# Altium PCB Zenit Stand Part 2 PCB_v2.PcbDoc
Units mm, origin at the board's own origin, x right, y up, seen from the top; angles counter-clockwise.
Board outline 177.83 x 34.39 mm, 2 copper layers (Top Layer, Bottom Layer); 99 components, 194 nets, 571 pads, 26 vias.
Unrouted connection lines stored in the file: 352.
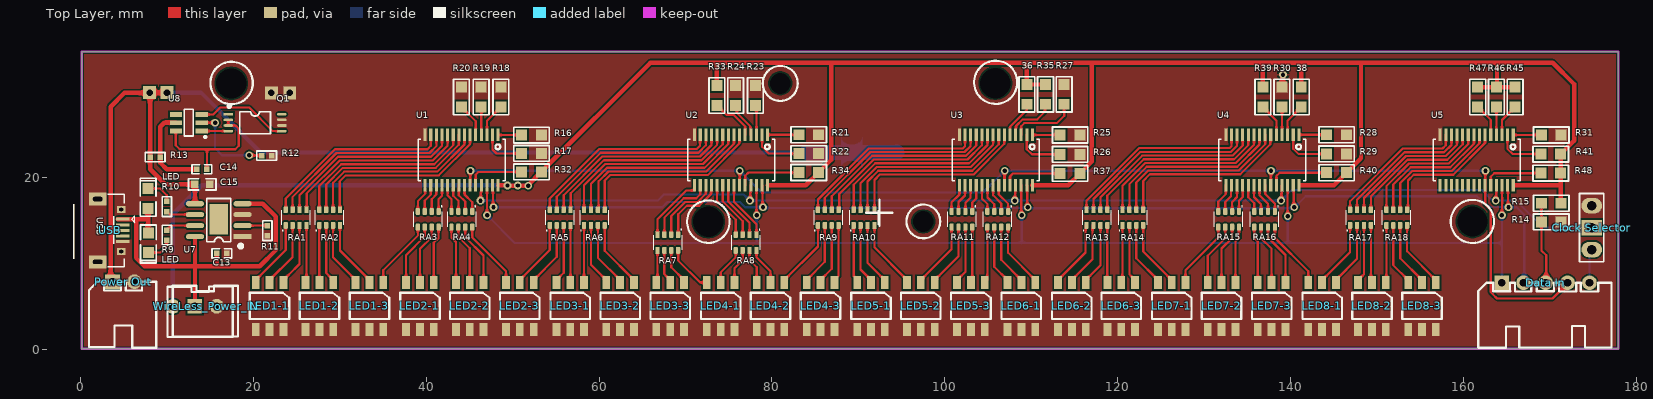
[diagram p0: Top Layer view]
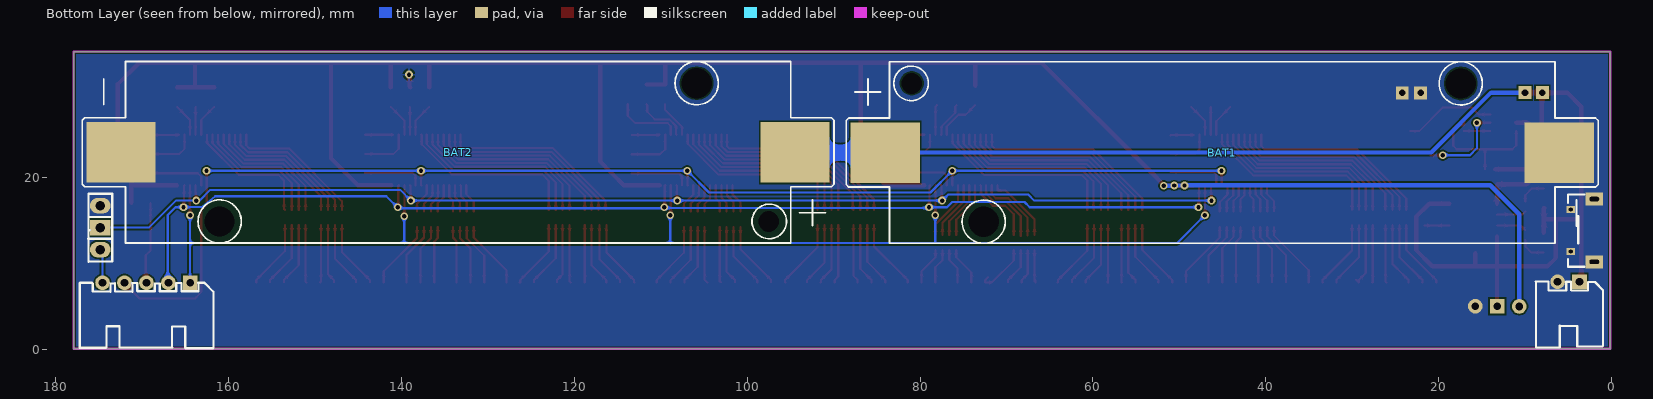
[diagram p1: Bottom Layer view, seen from below]
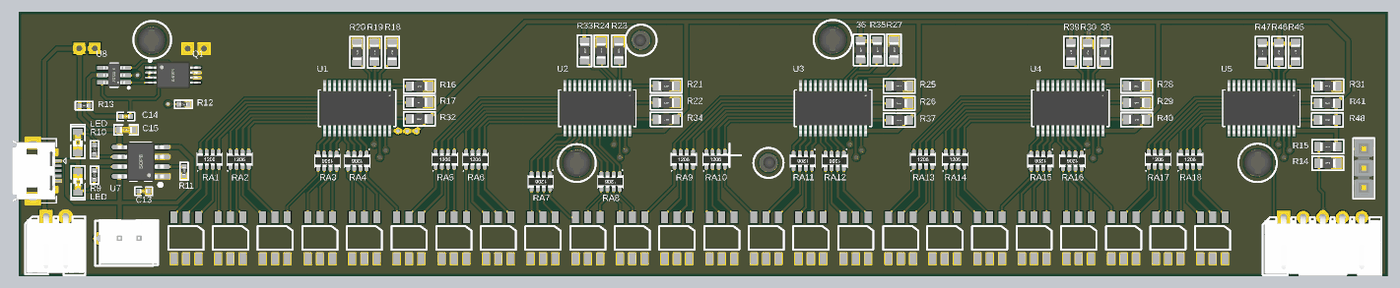
[diagram p2: 3D render of the assembled board from above, using the file's embedded part models]

## Layer stack, top to bottom
Top Solder: solder mask 0.0102, Solder Resist, Dk 3.5
Top Layer: signal copper 0.0356
Dielectric 1: dielectric 0.32, FR-4, Dk 4.8
Bottom Layer: signal copper 0.0356
Bottom Solder: solder mask 0.0102, Solder Resist, Dk 3.5

## Board outline
0.127,0.127 0.127,34.519 177.952,34.519 177.952,0.127

## Design rules (kind name [scope] priority, off if disabled: settings)
Clearance [All] p1: gap=0.178 ignorepadtopadclearanceinfootprint=FALSE
PolygonConnect PolygonConnect_2 [All vs IsNamedPolygon('GND_L02_P001')] p1: thpad.connectstyle=Direct thpad.reliefconductorwidth=0.254 thpad.reliefentries=4 thpad.polygonreliefangle="90 Angle" thpad.airgapwidth=0.254 smdpad.connectstyle=Direct smdpad.reliefconductorwidth=0.254 smdpad.reliefentries=4 smdpad.polygonreliefangle="90 Angle" smdpad.airgapwidth=0.254 via.connectstyle=Relief via.reliefconductorwidth=0.254 via.reliefentries=4 via.polygonreliefangle="90 Angle" via.airgapwidth=0.254
PolygonConnect PolygonConnect_1 [All vs IsNamedPolygon('GND_L01_P000')] p2: thpad.connectstyle=Direct thpad.reliefconductorwidth=0.254 thpad.reliefentries=4 thpad.polygonreliefangle="90 Angle" thpad.airgapwidth=0.254 smdpad.connectstyle=Direct smdpad.reliefconductorwidth=0.254 smdpad.reliefentries=4 smdpad.polygonreliefangle="90 Angle" smdpad.airgapwidth=0.254 via.connectstyle=Relief via.reliefconductorwidth=0.254 via.reliefentries=4 via.polygonreliefangle="90 Angle" via.airgapwidth=0.254
PolygonConnect [All] p3: connectstyle=Relief reliefconductorwidth=0.254 reliefentries=4 polygonreliefangle="90 Angle" airgapwidth=0.254
RoutingVias [All] p1: holewidth=0.5 width=0.9 viastyle="Through Hole" minholewidth=0.5 minwidth=0.9 maxholewidth=0.5 maxwidth=0.9
SolderMaskExpansion [All] p1: expansion=0.102 istentingtop=FALSE
Width [All] p1: maxlimit=1.778 minlimit=0.254 preferedwidth=0.508
30 further rules are at their usual default settings.

## Classes and differential pairs
component class Sheet3.~(14): RA1 RA2 RA3 RA4 RA5 RA6 RA7 RA8 RA9 RA10 RA11 RA12 RA13 RA14 RA15 RA16 RA17 RA18
component class Sheet2: BAT1 BAT2 C13 C14 C15 LED LED1-1 LED1-2 LED1-3 LED2-1 LED2-2 LED2-3 LED3-1 LED3-2 LED3-3 LED4-1 LED4-2 LED4-3 LED5-1 LED5-2 LED5-3 LED6-1 LED6-2 LED6-3 LED7-1 LED7-2 LED7-3 LED8-1 LED8-2 LED8-3 Q1 R9 R10 R11 R12 R13 R14 R15 U7 U8 USB
component class Sheet1: 36 38 R16 R17 R18 R19 R20 R21 R22 R23 R24 R25 R26 R27 R28 R29 R30 R31 R32 R33 R34 R35 R37 R39 R40 R41 R45 R46 R47 R48 U1 U2 U3 U4 U5

## Components (designator, comment, footprint, x,y, rotation, side; value= is the part's Value field where it differs from the comment)
36 "=Value" "R 0805" 109.499,29.566 r270 top
38 "=Value" "R 0805" 141.249,29.261 r270 top
BAT1 "Battery 1850" "18650 Single" 45.034,22.835 r180 bottom
BAT2 "Battery 1850" "18650 Single" 133.452,22.86 r0 bottom
C13 "01.uF" "C 0402" 16.353,11.176 r180 top
C14 "0.1uF" "C 0402" 14.042,20.904 r180 top
C15 "10uF" "C 0603" 14.067,19.152 r180 top
"Clock Selector" "Comment" "Jumper Selector" 174.854,11.608 r90 top
"Data In" "Comment" XH2.54-5P_H 164.44,7.772 r0 top
LED "LED-SMD" "LED 0805G" 7.819,17.526 r90 top (schematic designator LED4)
LED "LED-SMD" "LED 0805R" 7.844,12.395 r270 top (schematic designator LED3)
LED1-1 "LED-RGB" "LED 5050" 21.869,5.08 r270 top
LED1-2 "LED-RGB" "LED 5050" 27.635,5.08 r270 top
LED1-3 "LED-RGB" "LED 5050" 33.426,5.08 r270 top
LED2-1 "LED-RGB" "LED 5050" 39.268,5.08 r270 top
LED2-2 "LED-RGB" "LED 5050" 45.034,5.08 r270 top
LED2-3 "LED-RGB" "LED 5050" 50.825,5.08 r270 top
LED3-1 "LED-RGB" "LED 5050" 56.667,5.08 r270 top
LED3-2 "LED-RGB" "LED 5050" 62.433,5.08 r270 top
LED3-3 "LED-RGB" "LED 5050" 68.224,5.08 r270 top
LED4-1 "LED-RGB" "LED 5050" 74.066,5.08 r270 top
LED4-2 "LED-RGB" "LED 5050" 79.832,5.08 r270 top
LED4-3 "LED-RGB" "LED 5050" 85.623,5.08 r270 top
LED5-1 "LED-RGB" "LED 5050" 91.465,5.08 r270 top
LED5-2 "LED-RGB" "LED 5050" 97.231,5.08 r270 top
LED5-3 "LED-RGB" "LED 5050" 103.022,5.08 r270 top
LED6-1 "LED-RGB" "LED 5050" 108.864,5.08 r270 top
LED6-2 "LED-RGB" "LED 5050" 114.706,5.08 r270 top
LED6-3 "LED-RGB" "LED 5050" 120.421,5.08 r270 top
LED7-1 "LED-RGB" "LED 5050" 126.263,5.08 r270 top
LED7-2 "LED-RGB" "LED 5050" 132.029,5.08 r270 top
LED7-3 "LED-RGB" "LED 5050" 137.82,5.08 r270 top
LED8-1 "LED-RGB" "LED 5050" 143.662,5.08 r270 top
LED8-2 "LED-RGB" "LED 5050" 149.428,5.08 r270 top
LED8-3 "LED-RGB" "LED 5050" 155.219,5.08 r270 top
"Power Out" "Comment" XH2.54-2P_H 3.683,7.874 r0 top
Q1 "FS8205A" SSOP8_L 20.189,26.289 r0 top
R9 "1K" "R 0402" 9.546,13.183 r90 top
R10 "1K" "R 0402" 10.41,16.688 r270 top
R11 "1.2K" "R 0402" 21.179,13.691 r90 top
R12 "1K" "R 0402" 21.636,22.047 r180 top
R13 "100" "R 0402" 8.53,22.733 r0 top
R14 "300K" "R 0805" 170.18,14.808 r0 top
R15 "100K" "R 0805" 170.18,16.967 r180 top
R16 "=Value" "R 0805" 52.172,24.841 r180 top
R17 "=Value" "R 0805" 52.172,22.733 r180 top
R18 "=Value" "R 0805" 48.641,29.261 r270 top
R19 "=Value" "R 0805" 46.355,29.261 r270 top
R20 "=Value" "R 0805" 44.069,29.261 r270 top
R21 "=Value" "R 0805" 84.252,24.892 r180 top
R22 "=Value" "R 0805" 84.252,22.708 r180 top
R23 "=Value" "R 0805" 78.08,29.439 r270 top
R24 "=Value" "R 0805" 75.794,29.439 r270 top
R25 "=Value" "R 0805" 114.503,24.867 r180 top
R26 "=Value" "R 0805" 114.503,22.631 r180 top
R27 "=Value" "R 0805" 113.817,29.566 r270 top
R28 "=Value" "R 0805" 145.339,24.892 r180 top
R29 "=Value" "R 0805" 145.339,22.682 r180 top
R30 "=Value" "R 0805" 139.01,29.261 r270 top
R31 "=Value" "R 0805" 170.18,24.867 r180 top
R32 "=Value" "R 0805" 52.172,20.599 r180 top
R33 "=Value" "R 0805" 73.635,29.439 r270 top
R34 "=Value" "R 0805" 84.252,20.523 r180 top
R35 "=Value" "R 0805" 111.658,29.566 r270 top
R37 "=Value" "R 0805" 114.503,20.422 r180 top
R39 "=Value" "R 0805" 136.804,29.261 r270 top
R40 "=Value" "R 0805" 145.339,20.498 r180 top
R41 "=Value" "R 0805" 170.129,22.657 r180 top
R45 "=Value" "R 0805" 165.989,29.261 r270 top
R46 "=Value" "R 0805" 163.83,29.261 r270 top
R47 "=Value" "R 0805" 161.671,29.261 r270 top
R48 "=Value" "R 0805" 170.129,20.447 r180 top
RA1 "1K" "RA1206 (4x0603)" 24.937,15.311 r90 top
RA2 "1K" "RA1206 (4x0603)" 28.823,15.311 r90 top
RA3 "1K" "RA1206 (4x0603)" 40.227,15.113 r270 top
RA4 "1K" "RA1206 (4x0603)" 44.113,15.113 r270 top
RA5 "1K" "RA1206 (4x0603)" 55.499,15.311 r90 top
RA6 "1K" "RA1206 (4x0603)" 59.455,15.311 r90 top
RA7 "1K" "RA1206 (4x0603)" 67.951,12.421 r270 top
RA8 "1K" "RA1206 (4x0603)" 77.013,12.421 r270 top
RA9 "1K" "RA1206 (4x0603)" 86.519,15.311 r90 top
RA10 "1K" "RA1206 (4x0603)" 90.659,15.311 r90 top
RA11 "1K" "RA1206 (4x0603)" 101.987,15.113 r270 top
RA12 "1K" "RA1206 (4x0603)" 106.127,15.113 r270 top
RA13 "1K" "RA1206 (4x0603)" 117.608,15.311 r90 top
RA14 "1K" "RA1206 (4x0603)" 121.761,15.311 r90 top
RA15 "1K" "RA1206 (4x0603)" 132.848,15.113 r270 top
RA16 "1K" "RA1206 (4x0603)" 137.001,15.113 r270 top
RA17 "1K" "RA1206 (4x0603)" 148.107,15.311 r90 top
RA18 "1K" "RA1206 (4x0603)" 152.298,15.311 r90 top
U1 "PCA9685PW" SOT361-1_NXP 44.094,21.971 r270 top
U2 "PCA9685PW" SOT361-1_NXP 75.28,21.971 r270 top
U3 "PCA9685PW" SOT361-1_NXP 105.917,21.971 r270 top
U4 "PCA9685PW" SOT361-1_NXP 136.748,21.971 r270 top
U5 "PCA9685PW" SOT361-1_NXP 161.553,21.971 r270 top
U7 "TP4056" SOP8_M-EP 15.991,15.011 r180 top
U8 "DW01" SOT23-6M 12.518,26.289 r90 top
USB "Wire_POWER_IN" USB-micro_B 1.981,13.818 r270 top
WireLess_Power_IN "Comment" XH2.54-2P 13.208,5.055 r0 top

## Footprints (in the part's own frame and the unit in brackets; to place one, negate y for a bottom-side part, rotate by r counter-clockwise, add the part's x,y. Pads: shape width x height; smd on the part's side, far side on the other; paste and mask are expansions set on the pad)
"18650 Single" [mm]
  round 1.524 hole 2.4: 0(-35.93,8)
  round 1.524 hole 3.5: 0(-27.6,-8) 0(27.6,8)
  rect 8x7 smd: 1(-39,0) 2(39,0)
  silkscreen extent -43.5,-10.5 43.5,10.5, body extent -43,-10.35 43,10.3, height 15.01
"C 0402" [mil] "ï؟½ق¼ï؟½ï؟½ï؟½ï؟½ï؟½ئ¬ï؟½ï؟½ï؟½ï؟½"
  rect 25x25 smd: 1(-23,0.16) 2(23,0.16)
  silkscreen extent -45,-21 45,21, body extent -20,-10 20,10, height 20
"C 0603" [mil] "ï؟½ق¼ï؟½ï؟½ï؟½ï؟½ï؟½ئ¬ï؟½ï؟½ï؟½ï؟½"
  rect 35x35 smd: 1(-35,0) 2(34,0)
  silkscreen extent -63,-26 62,26, body extent -31,-16 31,16, height 32
"Jumper Selector" [mm]
  oval 1.8x2.4 hole 1.1: 1(0,0) 3(5.08,0)
  rect 1.8x2.4 hole 1.1: 2(2.54,0)
  silkscreen extent -1.4,-1.4 6.48,1.4, body extent -1.24,-1.27 6.38,1.27, height 9.65
"LED 0805G" [mil] "ï؟½ï؟½ة«0805LED"
  rect 50x50 smd: 1(-45,0) 2(45,0)
  silkscreen extent -81,-36 92,36, body extent -39,-25 39,25, height 32
"LED 0805R" [mil] "ï؟½ï؟½ة«0805LED"
  rect 50x50 smd: 1(-45,0) 2(45,0)
  silkscreen extent -81,-36 92,36, body extent -39,-25 39,25, height 32
"LED 5050" [mm] "ï؟½ï؟½ة«5050LED"
  rect 1.5x0.9 smd: 1(-2.705,1.6) 2(2.705,1.6) 3(-2.705,0) 4(2.705,0) 5(-2.705,-1.6) 6(2.705,-1.6)
  silkscreen extent -1.52,-2.29 1.52,2.29, body extent -2.7,-2.5 2.7,2.5, height 1.65
"R 0402" [mil] "1/16Wï؟½ï؟½ئ¬ï؟½ï؟½ï؟½ï؟½"
  rect 25x25 smd: 1(-19,-17) 2(27,-17)
  silkscreen extent -41,-38 49,4, body extent -16,-27 24,-7, height 12
"R 0805" [mm] "1/8Wï؟½ï؟½ئ¬ï؟½ï؟½ï؟½ï؟½"
  rect 1.27x1.27 smd: 1(-1.143,0) 2(1.143,0)
  silkscreen extent -2.05,-0.91 2.05,0.91, body extent -1,-0.62 1,0.63, height 0.5
"RA1206 (4x0603)" [mm]
  rrect50% 0.8x0.5 smd: 1(-0.9,1.2) 2(-0.9,0.4) 3(-0.9,-0.4) 4(-0.9,-1.2) 5(0.9,-1.2) 6(0.9,-0.4) 7(0.9,0.4) 8(0.9,1.2)
  silkscreen extent -1.55,-1.65 0.85,1.65, body extent -0.8,-1.6 0.8,1.6, height 0.5
SOP8_M-EP [mm] "5*6*1.8mm£¨³¤؟ي¸ك£©"
  rect 2.1x0.6 smd: 1(-2.75,1.905)
  oval 2.1x0.6 smd: 2(-2.75,0.635) 3(-2.75,-0.635) 4(-2.75,-1.905) 5(2.75,-1.905) 6(2.75,-0.635) 7(2.75,0.635) 8(2.75,1.905)
  rect 2.1x3.5 smd: 9(0.01,-0.113)
  silkscreen extent -2.69,-2.5 1.4,3.15, body extent -3,-2.5 3,2.5, height 1.9
SOT23-6M [mm] "3x1.6x1.1mm(ï؟½ï؟½ï؟½ï؟½ï؟½)"
  rect 0.55x1.4 smd: 1(-0.95,-1.5) 2(0,-1.5) 3(0.95,-1.5) 4(0.95,1.5) 5(0,1.5) 6(-0.95,1.5)
  silkscreen extent -1.78,-2.03 1.55,0.51, body extent -1.5,-1.4 1.5,1.4, height 1.15
SOT361-1_NXP [mil]
  rect 58x14 smd paste+0 mask+0: 1(-115,166.34) 2(-115,140.75) 3(-115,115.16) 4(-115,89.57) 5(-115,63.98) 6(-115,38.39) 7(-115,12.8) 8(-115,-12.8) 9(-115,-38.39) 10(-115,-63.98) 11(-115,-89.57) 12(-115,-115.16) 13(-115,-140.75) 14(-115,-166.34) 15(115,-166.34) 16(115,-140.75) 17(115,-115.16) 18(115,-89.57) 19(115,-63.98) 20(115,-38.39) 21(115,-12.8) 22(115,12.8) 23(115,38.39) 24(115,63.98) 25(115,89.57) 26(115,115.16) 27(115,140.75) 28(115,166.34)
  silkscreen extent -94,-198 94,198, body extent -130,-193 130,193, height 43
SSOP8_L [mm] "3*6.4*1.2mm£¨³¤؟ي¸ك£©"
  rect 1.1x0.3 smd: 1(-3.1,0.975)
  oval 1.1x0.3 smd: 2(-3.1,0.325) 3(-3.1,-0.325) 4(-3.1,-0.975) 5(3.1,-0.975) 6(3.1,-0.325) 7(3.1,0.325) 8(3.1,0.975)
  silkscreen extent -3.13,-1.27 1.78,2.03, body extent -3.2,-1.75 3.2,1.75, height 1.25
USB-micro_B [mm] "microï؟½ï؟½USB ï؟½ï؟½5.7*7.8*2.5mm"
  rect 0.35x1.6 smd: 1(-1.3,2.9) 2(-0.65,2.9) 3(0,2.9) 4(0.65,2.9) 5(1.3,2.9)
  rect 1.5x2 hole 0.5 slot 1.1 at 90 deg: 5(-3.625,0) 5(3.625,0)
  rect 0.8x1 hole 0.5: 5(-2.425,2.71) 5(2.425,2.71)
  silkscreen extent -4.19,-2.79 4.19,4.3, body extent -4,-2.71 4,2.89, height 2.8
XH2.54-2P [mm] "½س²ه¼‏£¬2P"
  rect 1.7x1.7 hole 0.9: 1(0,0)
  round 1.7 hole 0.9: 2(2.54,0)
  silkscreen extent -2.54,-3.51 5.01,2.37, body extent -2.5,-3.3 5.04,2.4, height 7.05
XH2.54-2P_H [mm] "½س²ه¼‏£¬2P"
  rect 1.7x1.7 hole 0.9: 1(0,0)
  round 1.7 hole 0.9: 2(2.54,0)
  silkscreen extent -2.72,-7.62 5.08,0, body extent -2.5,-7.35 5.04,0.35, height 5.73
XH2.54-5P_H [mm] "½س²ه¼‏£¬5P"
  rect 1.7x1.7 hole 0.9: 1(0,0)
  round 1.7 hole 0.9: 2(2.54,0) 3(5.08,0) 4(7.62,0) 5(10.16,0)
  silkscreen extent -2.72,-7.53 12.7,0, body extent -2.5,-7.35 12.66,0.35, height 5.73

## Part data
36 38 R9 R10 R11 R12 R13 R14 R15 R16 R17 R18 R19 R20 R21 R22 R23 R24 R25 R26 R27 R28 R29 R30 R31 R32 R33 R34 R35 R37 R39 R40 R41 R45 R46 R47 R48: library part R, "Chip resistor", BOM名称="Chip resistor", 学习资源=www.ooocke.com, 版权归属=源创客
C13 C14 C15: library part C, "Non-polar patch capacitor", BOM名称=无极性贴片电容, 学习资源=www.ooocke.com, 版权归属=源创客
LED LED: "Patch LED", BOM名称=贴片LED, 学习资源=www.ooocke.com, 版权归属=源创客
LED1-1 LED1-2 LED1-3 LED2-1 LED2-2 LED2-3 LED3-1 LED3-2 LED3-3 LED4-1 LED4-2 LED4-3 LED5-1 LED5-2 LED5-3 LED6-1 LED6-2 LED6-3 LED7-1 LED7-2 LED7-3 LED8-1 LED8-2 LED8-3: "Three primary color LED", BOM名称=三基色LED, 学习资源=www.ooocke.com, 版权归属=源创客
Q1: "Dual N-Channel Enhancement Mode Power MOSFET"
RA1 RA2 RA3 RA4 RA5 RA6 RA7 RA8 RA9 RA10 RA11 RA12 RA13 RA14 RA15 RA16 RA17 RA18: library part R-ARR, "4 way Chip Resistor Array"
U1 U2 U3 U4 U5: "No Description Available", Built_By=EMA_UL_Team, Copyright="Copyright (C) 2018 Accelerated Designs. All rights reserved", Manufacturer_Part_Number=PCA9685PW, RefDes=RefDes, SourceLibrary=NXP_2011-11-10, Type=DEV, Vendor=NXP
U7: "Lithium battery charge management", BOM名称=锂电池充电管理, 学习资源=www.ooocke.com, 版权归属=源创客
U8: "Lithium battery overcurrent protection IC", BOM名称=过流保护IC, 学习资源=www.ooocke.com, 版权归属=源创客
USB: library part USB-5P, "Micro & Mini USB female", BOM名称=微型USB母座, 学习资源=www.ooocke.com, 版权归属=源创客

## Free pads (board coordinates)
  rect 1.5x1.5 hole 0.762: 1(7.997,29.769) 1(10.003,29.769) 1(22.068,29.743) 1(24.202,29.743)
  round 1.7 hole 0.9: 2(10.668,5.029)

## Via types
v1: diameter 0.9, hole 0.5, Top Layer to Bottom Layer, tented both sides, 23 vias
v2: diameter 0.9, hole 0.5, Top Layer to Bottom Layer, 3 vias

## Nets (pads, with @x,y where several pads share a name; then routed paths per layer and width w, separated by ;. In a path a pad name is that pad's centre, name@x,y a point inside that pad or via, vN(x,y) a via of type N, cw(c..) or ccw(c..) an arc to the next point about the centre after c; other vN are vias at no path point)
+5: C13.2 LED.1 U7.4 U7.8 USB.1 WireLess_Power_IN.1 | length 45.9
  Top Layer w0.5: USB.1@4.293,15.118 7.674,15.118 7.819,14.973 ; 6.426,14.961 6.426,10.643 7.391,9.677 13.411,9.677 15.621,9.677 20.722,9.677 22.602,11.557 22.602,15.392 21.078,16.916 U7.4 ; LED.1@7.789,16.413 7.819,16.383 7.819,14.973 ; LED.1@7.844,13.538 7.819,13.564 7.819,14.973
  Top Layer w0.508: WireLess_Power_IN.1 13.233,5.08 13.233,9.677 ; 13.241,9.848 U7.8 ; 15.621,9.677 15.769,9.825 C13.2
ADC: "Data In.3" R14.1 R15.2 | length 9.5
  Top Layer w0.254: R15.2 R14.1 169.037,11.499 169.596,10.94 169.596,7.747
DAC: "Clock Selector.1" "Data In.5" | length 3.8
  Bottom Layer w0.254: 174.6,7.772 174.6,11.622
DAC-OUT: "Clock Selector.2" U1.25 U2.25 U3.25 U4.25 U5.25 | length 140.2
  Top Layer w0.254: v1@46.268,17.399 46.319,17.45 46.319,18.999 U1.25 ; v1(77.451,17.272) 77.505,17.326 77.505,18.999 U2.25 ; v1@108.088,17.374 108.142,17.428 108.142,18.999 U3.25 ; v1@138.919,17.399 138.973,17.453 138.973,18.999 U4.25 ; v1(163.747,17.272) 163.828,18.02 U5.25
  Bottom Layer w0.254: v1(46.268,17.272) 66.777,17.272 67.488,17.983 76.739,17.983 v1(77.451,17.272) v1(108.088,17.272) v1(138.919,17.272) 140.163,18.517 162.128,18.517 163.373,17.272 166.116,17.272 169.24,14.148 174.854,14.148
GND: "Clock Selector.3" "Power Out.2" BAT1.2 BAT2.2 C13.1 C15.1 LED1-1.2 LED1-1.4 LED1-1.6 LED1-2.2 LED1-2.4 LED1-2.6 LED1-3.2 LED1-3.4 LED1-3.6 LED2-1.2 LED2-1.4 LED2-1.6 LED2-2.2 LED2-2.4 LED2-2.6 LED2-3.2 LED2-3.4 LED2-3.6 LED3-1.2 LED3-1.4 LED3-1.6 LED3-2.2 LED3-2.4 LED3-2.6 LED3-3.2 LED3-3.4 LED3-3.6 LED4-1.2 LED4-1.4 LED4-1.6 LED4-2.2 LED4-2.4 LED4-2.6 LED4-3.2 LED4-3.4 LED4-3.6 LED5-1.2 LED5-1.4 LED5-1.6 LED5-2.2 LED5-2.4 LED5-2.6 LED5-3.2 LED5-3.4 LED5-3.6 LED6-1.2 LED6-1.4 LED6-1.6 LED6-2.2 LED6-2.4 LED6-2.6 LED6-3.2 LED6-3.4 LED6-3.6 LED7-1.2 LED7-1.4 LED7-1.6 LED7-2.2 LED7-2.4 LED7-2.6 LED7-3.2 LED7-3.4 LED7-3.6 LED8-1.2 LED8-1.4 LED8-1.6 LED8-2.2 LED8-2.4 LED8-2.6 LED8-3.2 LED8-3.4 LED8-3.6 pad.1@22.068,29.743 pad.1@24.202,29.743 Q1.6 Q1.7 R11.1 R12.1 R14.2 R16.1 R17.1 R18.1 R19.1 R20.1 R21.1 R22.1 R23.1 R24.1 R25.1 R26.1 R27.1 R28.1 R29.1 R30.1 R31.1 U1.14 U2.14 U3.14 U4.14 U5.14 U7.1 U7.3 USB.5 WireLess_Power_IN.2 | length 1.5
  Top Layer w0.508: R30.1 139.076,30.47 139.076,31.786 v1(139.142,31.853)
L1: RA2.5 U1.6 | length 21.2
  Top Layer w0.254: RA2.5 29.997,16.237 29.997,19.5 30.691,20.193 41.453,20.193 45.069,23.81 U1.6
L2: RA2.6 U1.7 | length 21.3
  Top Layer w0.254: RA2.6 29.223,19.336 30.512,20.625 41.274,20.625 44.419,23.77 U1.7
L3: RA2.7 U1.8 | length 21.3
  Top Layer w0.254: RA2.7 28.423,19.146 30.333,21.057 41.095,21.057 43.769,23.731 U1.8
L4: RA2.8 U1.9 | length 21.4
  Top Layer w0.254: RA2.8 27.623,18.957 30.154,21.488 40.916,21.488 43.119,23.692 U1.9
L5: RA1.5 U1.10 | length 21.8
  Top Layer w0.254: RA1.5 26.162,16.237 26.162,18.107 29.975,21.92 40.737,21.92 42.469,23.652 U1.10
L6: RA1.6 U1.11 | length 21.8
  Top Layer w0.254: RA1.6 25.337,17.892 29.796,22.352 40.559,22.352 41.819,23.613 U1.11
L7: RA1.7 U1.12 | length 21.9
  Top Layer w0.254: RA1.7 24.537,17.703 29.617,22.784 40.38,22.784 41.169,23.574 U1.12
L8: RA1.8 U1.13 | length 21.9
  Top Layer w0.254: RA1.8 23.737,17.514 29.439,23.216 40.132,23.216 40.519,23.603 U1.13
L9: RA4.1 U1.22 | length 3.4
  Top Layer w0.254: U1.22 44.419,17.988 45.313,17.094 RA4.1
L10: RA4.2 U1.21 | length 3.3
  Top Layer w0.254: U1.21 43.769,17.902 44.513,17.158 RA4.2
L11: RA4.3 U1.20 | length 3.3
  Top Layer w0.254: U1.20 43.119,17.841 43.713,17.247 RA4.3
L12: RA4.4 U1.19 | length 3.2
  Top Layer w0.254: U1.19 42.469,17.856 42.913,17.412 RA4.4
L13: RA3.1 U1.18 | length 3.2
  Top Layer w0.254: RA3.1 41.427,17.45 41.819,17.842 U1.18
L14: RA3.2 U1.17 | length 3.3
  Top Layer w0.254: RA3.2 40.627,17.437 41.169,17.979 U1.17
L15: RA3.3 U1.16 | length 3.3
  Top Layer w0.254: RA3.3 39.827,17.272 40.519,17.964 U1.16
L16: RA3.4 U1.15 | length 3.4
  Top Layer w0.254: RA3.4 39.027,17.209 39.869,18.051 U1.15
L17: RA6.5 U2.6 | length 21.8
  Top Layer w0.254: RA6.5 60.655,19.609 61.265,20.218 72.568,20.218 76.233,23.883 76.233,24.869 U2.6
L18: RA6.6 U2.7 | length 21.8
  Top Layer w0.254: RA6.6 59.944,16.3 59.944,19.508 61.086,20.65 72.389,20.65 75.605,23.867 U2.7
L19: RA6.7 U2.8 | length 21.9
  Top Layer w0.254: RA6.7 59.055,19.23 60.907,21.082 72.21,21.082 74.955,23.827 U2.8
L20: RA6.8 U2.9 | length 22
  Top Layer w0.254: RA6.8 58.255,19.041 60.728,21.514 72.031,21.514 74.305,23.788 U2.9
L21: RA5.5 U2.10 | length 22.3
  Top Layer w0.254: RA5.5 56.718,16.231 56.718,18.114 60.549,21.946 71.852,21.946 73.655,23.749 U2.10
L22: RA5.6 U2.11 | length 22.4
  Top Layer w0.254: RA5.6 55.899,17.906 60.371,22.377 71.674,22.377 73.005,23.709 U2.11
L23: RA5.7 U2.12 | length 22.4
  Top Layer w0.254: RA5.7 55.099,17.717 60.192,22.809 71.495,22.809 72.355,23.67 U2.12
L24: RA5.8 U2.13 | length 22.5
  Top Layer w0.254: RA5.8 54.299,17.527 60.013,23.241 71.316,23.241 71.679,23.604 71.679,24.865 U2.13
L25: RA8.1 U2.22 | length 6.8
  Top Layer w0.254: U2.22 75.605,17.129 78.213,14.522 RA8.1
L26: RA8.2 U2.21 | length 6.7
  Top Layer w0.254: U2.21 74.955,17.169 77.413,14.711 RA8.2
L27: RA8.3 U2.20 | length 6.7
  Top Layer w0.254: U2.20 74.305,17.208 76.613,14.901 RA8.3
L28: RA8.4 U2.19 | length 6.6
  Top Layer w0.254: U2.19 73.655,17.226 75.813,15.068 RA8.4
L29: RA7.1 U2.18 | length 8.2
  Top Layer w0.254: RA7.1 69.151,15.684 70.155,16.688 71.603,16.688 72.955,18.04 72.955,18.999 U2.18
L30: RA7.2 U2.17 | length 8.4
  Top Layer w0.254: RA7.2@68.351,13.198 RA7.2 68.351,14.707 68.351,15.495 69.976,17.12 71.424,17.12 72.355,18.051 U2.17
L31: RA7.3 U2.16 | length 8.4
  Top Layer w0.254: RA7.3@67.551,13.261 67.551,15.306 69.797,17.551 71.245,17.551 71.705,18.012 U2.16
L32: RA7.4 U2.15 | length 8.1
  Top Layer w0.254: RA7.4 66.751,15.116 70.075,18.44 71.005,18.44 71.055,18.491 U2.15
L33: RA10.5 U3.6 | length 21.3
  Top Layer w0.254: RA10.5 91.859,19.665 92.489,20.295 103.353,20.295 106.892,23.834 U3.6
L34: RA10.6 U3.7 | length 21.3
  Top Layer w0.254: RA10.6 91.059,19.475 92.31,20.726 103.174,20.726 106.242,23.795 U3.7
L35: RA10.7 U3.8 | length 21.4
  Top Layer w0.254: RA10.7 90.259,19.286 92.131,21.158 102.995,21.158 105.592,23.756 U3.8
L36: RA10.8 U3.9 | length 21.5
  Top Layer w0.254: RA10.8 89.459,19.097 91.952,21.59 102.816,21.59 104.942,23.716 U3.9
L37: RA9.5 U3.10 | length 21.9
  Top Layer w0.254: RA9.5 87.782,16.275 87.782,18.031 91.773,22.022 102.637,22.022 104.292,23.677 U3.10
L38: RA9.6 U3.11 | length 22
  Top Layer w0.254: RA9.6 86.919,17.778 91.595,22.454 102.458,22.454 103.642,23.638 U3.11
L39: RA9.7 U3.12 | length 22
  Top Layer w0.254: RA9.7 86.119,17.589 91.416,22.885 102.279,22.885 102.992,23.598 U3.12
L40: RA9.8 U3.13 | length 22.1
  Top Layer w0.254: RA9.8 85.319,17.399 91.237,23.317 102.101,23.317 102.342,23.559 U3.13
L41: RA12.1 U3.22 | length 3.5
  Top Layer w0.254: U3.22 106.242,17.989 107.327,16.904 RA12.1
L42: RA12.2 U3.21 | length 3.4
  Top Layer w0.254: U3.21 105.592,17.877 106.527,16.942 RA12.2
L43: RA12.3 U3.20 | length 3.4
  Top Layer w0.254: U3.20 104.942,17.638 105.727,16.853 RA12.3
L44: RA12.4 U3.19 | length 3.3
  Top Layer w0.254: U3.19 104.292,17.526 104.927,16.891 RA12.4
L45: RA11.1 U3.18 | length 3.2
  Top Layer w0.254: RA11.1 103.187,17.056 103.642,17.511 U3.18
L46: RA11.2 U3.17 | length 3.3
  Top Layer w0.254: RA11.2 102.387,17.018 102.992,17.623 U3.17
L47: RA11.3 U3.16 | length 3.3
  Top Layer w0.254: RA11.3 101.587,17.107 102.342,17.862 U3.16
L48: RA11.4 U3.15 | length 3.4
  Top Layer w0.254: RA11.4 100.787,17.069 101.692,17.974 U3.15
L49: RA14.5 U4.6 | length 20.9
  Top Layer w0.254: RA14.5 122.961,19.551 123.731,20.32 134.196,20.32 137.673,23.797 137.673,24.841 U4.6
L50: RA14.6 U4.7 | length 21
  Top Layer w0.254: RA14.6 122.161,19.361 123.552,20.752 134.017,20.752 137.073,23.808 U4.7
L51: RA14.7 U4.8 | length 21
  Top Layer w0.254: RA14.7 121.361,19.172 123.373,21.184 133.838,21.184 136.423,23.769 U4.8
L52: RA14.8 U4.9 | length 21.1
  Top Layer w0.254: RA14.8 120.561,18.983 123.194,21.615 133.659,21.615 135.773,23.73 U4.9
L53: RA13.5 U4.10 | length 21.6
  Top Layer w0.254: RA13.5 118.808,17.84 123.015,22.047 133.48,22.047 135.123,23.69 U4.10
L54: RA13.6 U4.11 | length 21.6
  Top Layer w0.254: RA13.6 118.008,17.651 122.837,22.479 133.301,22.479 134.473,23.651 U4.11
L55: RA13.7 U4.12 | length 21.7
  Top Layer w0.254: RA13.7 117.208,17.462 122.658,22.911 133.122,22.911 133.823,23.612 U4.12
L56: RA13.8 U4.13 | length 21.8
  Top Layer w0.254: RA13.8 116.408,17.272 122.479,23.343 132.944,23.343 133.173,23.572 U4.13
L57: RA16.1 U4.22 | length 3.5
  Top Layer w0.254: U4.22 137.073,18.044 138.201,16.916 RA16.1
L58: RA16.2 U4.21 | length 3.4
  Top Layer w0.254: U4.21 136.423,17.882 137.401,16.904 RA16.2
L59: RA16.3 U4.20 | length 3.4
  Top Layer w0.254: U4.20 135.773,17.693 136.601,16.865 RA16.3
L60: RA16.4 U4.19 | length 3.3
  Top Layer w0.254: U4.19 135.123,17.658 135.801,16.98 RA16.4
L61: RA15.1 U4.18 | length 3.2
  Top Layer w0.254: RA15.1 134.048,17.259 134.473,17.684 U4.18
L62: RA15.2 U4.17 | length 3.3
  Top Layer w0.254: RA15.2 133.248,17.12 133.823,17.695 U4.17
L63: RA15.3 U4.16 | length 3.3
  Top Layer w0.254: RA15.3 132.448,17.107 133.121,17.78 133.121,18.292 133.123,18.293 133.123,18.999 U4.16
L64: RA15.4 U4.15 | length 3.4
  Top Layer w0.254: RA15.4 131.648,17.145 132.523,18.02 U4.15
L65: RA18.5 U5.6 | length 15.1
  Top Layer w0.254: RA18.5 153.594,16.307 153.594,19.601 154.262,20.269 158.852,20.269 162.517,23.934 162.517,24.881 U5.6
L66: RA18.6 U5.7 | length 15.2
  Top Layer w0.254: RA18.6 152.698,19.317 154.083,20.701 158.673,20.701 161.878,23.906 U5.7
L67: RA18.7 U5.8 | length 15.2
  Top Layer w0.254: RA18.7 151.898,19.127 153.904,21.133 158.494,21.133 161.228,23.867 U5.8
L68: RA18.8 U5.9 | length 15.3
  Top Layer w0.254: RA18.8 151.098,18.938 153.725,21.565 158.315,21.565 160.578,23.827 U5.9
L69: RA17.5 U5.10 | length 15.8
  Top Layer w0.254: RA17.5 149.307,17.758 153.546,21.996 158.136,21.996 159.928,23.788 U5.10
L70: RA17.6 U5.11 | length 15.8
  Top Layer w0.254: RA17.6 148.507,17.568 153.367,22.428 157.957,22.428 159.278,23.748 U5.11
L71: RA17.7 U5.12 | length 15.9
  Top Layer w0.254: RA17.7 147.707,17.379 153.188,22.86 157.778,22.86 158.628,23.709 U5.12
L72: RA17.8 U5.13 | length 16
  Top Layer w0.254: RA17.8 146.907,17.19 153.01,23.292 157.6,23.292 157.978,23.67 U5.13
LEDR1: LED1-1.5 RA1.1 | length 8.1
  Top Layer w0.254: LED1-1.5@20.295,7.81 LED1-1.5 20.269,8.085 23.737,11.552 RA1.1
LEDR2: LED1-1.3 RA1.2 | length 7.8
  Top Layer w0.254: LED1-1.3@21.92,7.836 LED1-1.3 21.869,8.085 24.537,10.752 RA1.2
LEDR3: LED1-1.1 RA1.3 | length 7.4
  Top Layer w0.254: LED1-1.1 23.47,8.085 24.071,8.687 24.079,8.687 25.337,9.944 RA1.3
LEDR4: LED1-2.5 RA1.4 | length 6.7
  Top Layer w0.254: LED1-2.5 26.137,7.887 RA1.4
LEDR5: LED1-2.3 RA2.1 | length 6.7
  Top Layer w0.254: RA2.1 27.623,7.798 LED1-2.3 LED1-2.3@27.686,7.836
LEDR6: LED1-2.1 RA2.2 | length 7.4
  Top Layer w0.254: RA2.2 28.423,8.898 29.235,8.085 LED1-2.1 LED1-2.1@29.558,8.108
LEDR7: LED1-3.5 RA2.3 | length 7.7
  Top Layer w0.254: RA2.3 29.223,10.689 31.826,8.085 LED1-3.5 LED1-3.5@31.801,7.81
LEDR8: LED1-3.3 RA2.4 | length 8.1
  Top Layer w0.254: RA2.4 30.023,11.489 33.426,8.085 LED1-3.3 LED1-3.3@33.401,7.81
LEDR9: LED1-3.1 RA3.5 | length 8.1
  Top Layer w0.254: LED1-3.1 35.027,9.22 39.027,13.221 RA3.5
LEDR10: LED2-1.5 RA3.6 | length 7.3
  Top Layer w0.254: LED2-1.5 37.668,10.973 39.827,13.132 RA3.6
LEDR11: LED2-1.3 RA3.7 | length 7
  Top Layer w0.254: LED2-1.3 39.268,11.684 40.627,13.043 RA3.7
LEDR12: LED2-1.1 RA3.8 | length 6.7
  Top Layer w0.254: LED2-1.1 40.869,12.395 41.427,12.954 RA3.8
LEDR13: LED2-2.5 RA4.5 | length 6.6
  Top Layer w0.254: RA4.5 42.913,12.992 43.434,12.471 LED2-2.5
LEDR14: LED2-2.3 RA4.6 | length 7
  Top Layer w0.254: RA4.6 43.713,13.081 45.034,11.76 LED2-2.3
LEDR15: LED2-2.1 RA4.7 | length 7.3
  Top Layer w0.254: RA4.7 44.513,13.043 46.634,10.922 LED2-2.1
LEDR16: LED2-3.5 RA4.8 | length 8
  Top Layer w0.254: RA4.8 45.313,13.005 49.225,9.093 LED2-3.5
LEDR17: LED2-3.3 RA5.1 | length 8.1
  Top Layer w0.254: LED2-3.3@50.8,7.81 LED2-3.3 50.825,8.085 54.299,11.559 RA5.1
LEDR18: LED2-3.1 RA5.2 | length 7.8
  Top Layer w0.254: LED2-3.1@52.502,7.861 LED2-3.1 52.426,8.085 55.099,10.759 RA5.2
LEDR19: LED3-1.5 RA5.3 | length 7
  Top Layer w0.254: LED3-1.5 55.067,8.085 55.899,8.917 RA5.3
LEDR20: LED3-1.3 RA5.4 | length 6.6
  Top Layer w0.254: LED3-1.3 56.699,7.817 RA5.4
LEDR21: LED3-1.1 RA6.1 | length 6.7
  Top Layer w0.254: RA6.1 58.255,7.798 LED3-1.1 LED3-1.1@58.344,7.861
LEDR22: LED3-2.5 RA6.2 | length 7.4
  Top Layer w0.254: RA6.2 59.055,9.863 60.833,8.085 LED3-2.5 LED3-2.5@60.858,7.81
LEDR23: LED3-2.3 RA6.3 | length 7.7
  Top Layer w0.254: RA6.3 59.855,10.663 62.433,8.085 LED3-2.3
LEDR24: LED3-2.1 RA6.4 | length 8.1
  Top Layer w0.254: RA6.4 60.655,11.464 64.033,8.085 LED3-2.1 LED3-2.1@64.084,7.836
LEDR25: LED3-3.5 RA7.5 | length 4.1
  Top Layer w0.254: LED3-3.5@66.624,8.085 LED3-3.5 66.751,7.912 RA7.5
LEDR26: LED3-3.3 RA7.6 | length 4
  Top Layer w0.254: RA7.6 67.539,11.508 67.539,8.771 68.224,8.085 LED3-3.3
LEDR27: LED3-3.1 RA7.7 | length 4.3
  Top Layer w0.254: RA7.7 68.351,9.559 69.825,8.085 LED3-3.1
LEDR28: LED4-1.5 RA7.8 | length 6.3
  Top Layer w0.254: RA7.8 69.151,10.325 71.691,7.785 LED4-1.5 72.466,8.085 LED4-1.5@72.143,8.408
LEDR29: LED4-1.3 RA8.5 | length 4.5
  Top Layer w0.254: LED4-1.3 74.066,8.966 75.819,10.719 75.819,11.514 RA8.5
LEDR30: LED4-1.1 RA8.6 | length 4.1
  Top Layer w0.254: LED4-1.1 75.667,9.449 76.613,10.395 RA8.6
LEDR31: LED4-2.5 RA8.7 | length 4.1
  Top Layer w0.254: RA8.7 77.413,10.37 78.232,9.55 LED4-2.5
LEDR32: LED4-2.3 RA8.8 | length 4.4
  Top Layer w0.254: RA8.8 78.207,11.514 78.207,10.719 79.832,9.093 LED4-2.3
LEDR33: LED4-2.1 RA9.1 | length 8.2
  Top Layer w0.254: LED4-2.1 81.432,8.085 85.319,11.972 RA9.1
LEDR34: LED4-3.5 RA9.2 | length 7.5
  Top Layer w0.254: LED4-3.5 84.023,8.085 86.119,10.181 RA9.2
LEDR35: LED4-3.3 RA9.3 | length 7.2
  Top Layer w0.254: LED4-3.3 85.623,8.085 86.919,9.38 RA9.3
LEDR36: LED4-3.1 RA9.4 | length 6.8
  Top Layer w0.254: LED4-3.1 87.224,8.085 87.719,8.58 RA9.4
LEDR37: LED5-1.5 RA10.1 | length 6.8
  Top Layer w0.254: RA10.1 89.459,8.491 89.865,8.085 LED5-1.5
LEDR38: LED5-1.3 RA10.2 | length 7.2
  Top Layer w0.254: RA10.2 90.259,9.292 91.465,8.085 LED5-1.3 LED5-1.3@91.491,7.81
LEDR39: LED5-1.1 RA10.3 | length 7.5
  Top Layer w0.254: RA10.3 91.059,10.092 93.066,8.085 LED5-1.1 LED5-1.1@93.091,7.81
LEDR40: LED5-2.5 RA10.4 | length 8.2
  Top Layer w0.254: RA10.4 91.859,11.857 95.631,8.085 LED5-2.5 LED5-2.5@95.606,7.81
LEDR41: LED5-2.3 RA11.5 | length 7.9
  Top Layer w0.254: LED5-2.3 97.231,8.085 100.787,11.641 RA11.5
LEDR42: LED5-2.1 RA11.6 | length 7.6
  Top Layer w0.254: LED5-2.1 98.831,8.085 101.587,10.841 RA11.6
LEDR43: LED5-3.5 RA11.7 | length 6.8
  Top Layer w0.254: LED5-3.5 101.422,8.085 102.387,9.05 RA11.7
LEDR44: LED5-3.3 RA11.8 | length 6.5
  Top Layer w0.254: LED5-3.3 103.187,7.95 RA11.8
LEDR45: LED5-3.1 RA12.5 | length 6.6
  Top Layer w0.254: LED5-3.1 104.927,8.09 RA12.5
LEDR46: LED6-1.5 RA12.6 | length 7.1
  Top Layer w0.254: RA12.6 105.727,9.622 107.264,8.085 LED6-1.5
LEDR47: LED6-1.3 RA12.7 | length 7.4
  Top Layer w0.254: RA12.7 106.527,10.422 108.864,8.085 LED6-1.3
LEDR48: LED6-1.1 RA12.8 | length 7.7
  Top Layer w0.254: RA12.8 107.327,11.222 110.465,8.085 LED6-1.1
LEDR49: LED6-2.5 RA13.1 | length 8
  Top Layer w0.254: LED6-2.5@113.081,7.81 LED6-2.5 113.106,8.085 116.281,11.26 RA13.1@116.281,14.411
LEDR50: LED6-2.3 RA13.2 | length 7.6
  Top Layer w0.254: LED6-2.3@114.732,7.81 LED6-2.3 114.706,8.085 117.081,10.46 RA13.2@117.081,14.411
LEDR51: LED6-2.1 RA13.3 | length 7.3
  Top Layer w0.254: LED6-2.1 116.307,8.085 118.008,9.787 RA13.3
LEDR52: LED6-3.5 RA13.4 | length 6.6
  Top Layer w0.254: RA13.4 118.796,14.399 118.796,7.81 LED6-3.5
LEDR53: LED6-3.3 RA14.1 | length 6.7
  Top Layer w0.254: LED6-3.3 120.548,7.912 120.548,14.398 RA14.1
LEDR54: LED6-3.1 RA14.2 | length 6.9
  Top Layer w0.254: RA14.2 121.361,8.745 122.022,8.085 LED6-3.1
LEDR55: LED7-1.5 RA14.3 | length 7.7
  Top Layer w0.254: RA14.3 122.161,10.587 124.663,8.085 LED7-1.5
LEDR56: LED7-1.3 RA14.4 | length 8.1
  Top Layer w0.254: RA14.4 122.961,11.387 126.263,8.085 LED7-1.3 LED7-1.3@126.314,7.836
LEDR57: LED7-1.1 RA15.5 | length 8
  Top Layer w0.254: LED7-1.1 127.864,9.22 131.648,13.005 RA15.5
LEDR58: LED7-2.5 RA15.6 | length 7.3
  Top Layer w0.254: LED7-2.5 130.429,10.897 132.448,12.916 RA15.6
LEDR59: LED7-2.3 RA15.7 | length 6.9
  Top Layer w0.254: LED7-2.3 132.029,11.735 133.248,12.954 RA15.7
LEDR60: LED7-2.1 RA15.8 | length 6.6
  Top Layer w0.254: LED7-2.1 133.629,12.573 134.048,12.992 RA15.8
LEDR61: LED7-3.5 RA16.5 | length 6.6
  Top Layer w0.254: RA16.5 135.801,12.941 136.22,12.522 LED7-3.5
LEDR62: LED7-3.3 RA16.6 | length 6.9
  Top Layer w0.254: RA16.6 136.601,12.903 137.82,11.684 LED7-3.3
LEDR63: LED7-3.1 RA16.7 | length 7.3
  Top Layer w0.254: RA16.7 137.401,12.992 139.421,10.973 LED7-3.1
LEDR64: LED8-1.5 RA16.8 | length 8
  Top Layer w0.254: RA16.8 138.201,12.954 142.062,9.093 LED8-1.5
LEDR65: LED8-1.3 RA17.1 | length 8
  Top Layer w0.254: LED8-1.3 143.662,8.085 146.907,11.33 RA17.1
LEDR66: LED8-1.1 RA17.2 | length 7.6
  Top Layer w0.254: LED8-1.1 145.263,8.085 147.707,10.53 RA17.2
LEDR67: LED8-2.5 RA17.3 | length 6.9
  Top Layer w0.254: LED8-2.5 147.828,8.085 148.507,8.764 RA17.3
LEDR68: LED8-2.3 RA17.4 | length 6.7
  Top Layer w0.254: RA17.4 149.307,7.906 LED8-2.3
LEDR69: LED8-2.1 RA18.1 | length 6.7
  Top Layer w0.254: LED8-2.1 151.098,7.855 RA18.1
LEDR70: LED8-3.5 RA18.2 | length 7.3
  Top Layer w0.254: RA18.2 151.898,9.806 153.619,8.085 LED8-3.5
LEDR71: LED8-3.3 RA18.3 | length 7.7
  Top Layer w0.254: RA18.3 152.698,10.606 155.219,8.085 LED8-3.3
LEDR72: LED8-3.1 RA18.4 | length 8
  Top Layer w0.254: RA18.4 153.498,11.406 156.82,8.085 LED8-3.1
NetC14_1: C14.1 Q1.2 Q1.3 U8.6 | length 15.6
  Top Layer w0.254: U8.6 11.018,23.674 11.476,23.216 14.626,23.216 ; C14.1 14.626,23.216 ; Q1.2 Q1.3 17.097,25.955 17.932,25.955 18.309,25.578 18.309,23.622 17.903,23.216 14.626,23.216
NetC14_2: C14.2 R13.2 U8.5 | length 10.7
  Top Layer w0.508: U8.5 9.673,26.289 9.216,25.832 R13.2 9.234,22.283 9.234,21.623 9.956,20.9 C14.2
NetLED3_2: LED.2@7.844,11.252 R9.1 | length 3.1
  Top Layer w0.254: LED.2@7.844,11.252 9.241,11.252 9.927,11.938 9.927,12.649 R9.1
NetLED4_2: LED.2@7.819,18.669 R10.1 | length 3.2
  Top Layer w0.254: LED.2@7.819,18.669 9.216,18.669 9.978,17.907 R10.1
NetQ1_4: Q1.4 U8.1 | length 3.1
  Top Layer w0.254: U8.1 14.034,25.323 17.08,25.323 Q1.4
NetQ1_5: Q1.5 U8.3 | length 10.7
  Top Layer w0.254: U8.3 15.347,27.239 16.15,28.042 19.503,28.042 22.23,25.314 Q1.5
NetR9_2: R9.2 U7.7 | length 3.5
  Top Layer w0.254: R9.2 10.486,14.376 U7.7
NetR10_2: R10.2 U7.6 | length 3.4
  Top Layer w0.254: R10.2 10.308,15.672 13.215,15.672 U7.6
NetR11_2: R11.2 U7.2 | length 2.9
  Top Layer w0.254: U7.2 R11.2
NetR12_2: R12.2 U8.2 | length 10.3
  Top Layer w0.254: U8.2 v1(15.566,26.289) ; v1(19.517,22.53) 19.543,22.504 20.925,22.504 R12.2
  Bottom Layer w0.254: v1(15.566,26.289) 15.566,23.317 16.353,22.53 v1(19.517,22.53)
NewNet1: 36.1 38.1 pad.2 R15.1 R32.1 R33.1 R34.1 R35.1 R37.1 R39.1 R40.1 R41.1 R45.1 R46.1 R47.1 R48.1 U1.28 U2.28 U3.28 U4.28 U5.28 | length 283
  Top Layer w0.254: 171.221,19.05 171.272,18.999 ; R15.1@171.272,17.018 R15.1
  Top Layer w0.508: U1.28 v2@49.403,19.05 ; v2(49.403,19.025) 49.416,19.012 51.778,19.012 v2(51.791,18.999) 51.791,19.075 R32.1 65.938,33.223 73.609,33.223 ; R33.1 73.609,30.607 73.609,33.223 ; U2.28 83.922,19.05 R34.1 86.843,21.971 86.843,33.223 ; U3.28 114.275,19.05 R37.1 117.018,21.793 117.018,33.223 ; R35.1 36.1 109.499,33.172 109.449,33.223 ; R39.1 136.804,33.198 ; 141.199,19.05 145.034,19.05 R40.1 148.158,22.174 148.158,33.223 ; 38.1 141.249,33.198 ; R47.1 R46.1 ; 165.989,19.05 171.221,19.05 ; R45.1 R46.1 ; R15.1@171.272,17.018 171.272,18.999 R48.1 R41.1 172.822,24.206 172.822,30.759 170.358,33.223 163.906,33.223 ; 73.609,33.223 86.843,33.223 ; 86.843,33.223 109.449,33.223 ; 109.449,33.223 117.018,33.223 ; 117.018,33.223 148.158,33.223 ; 148.158,33.223 163.906,33.223 ; R46.1 163.906,30.48 163.906,33.223
  Bottom Layer w0.508: pad.2 10.668,15.697 14.021,19.05 v2@49.403,19.05 ; v2(49.403,19.025) v2@50.521,19.025 ; v2(50.597,19.012) v2@51.778,19.012
PWM: "Data In.4" U1.23 U2.23 U3.23 U4.23 U5.23 | length 150.9
  Top Layer w0.254: U1.23 45.09,19.071 45.09,20.909 v1@45.11,20.93 ; U2.23 76.266,19.06 76.266,20.716 v1(76.276,20.726) ; U3.23 106.913,19.071 v1@106.913,20.726 ; U4.23 137.734,19.06 v1@137.734,20.726 ; v1@162.544,20.812 162.544,19.066 U5.23 162.535,19.043 162.535,16.815 163.17,16.18 163.17,6.68 163.424,6.426 163.906,5.944 170.332,5.944 172.136,7.747
  Bottom Layer w0.254: v1(45.11,20.726) v1(76.276,20.726) 78.791,18.212 104.419,18.212 v1(106.934,20.726) v1(137.744,20.726) v1(162.56,20.726)
RES-GND1: R16.2 U1.1 | length 2.7
  Top Layer w0.254: U1.1@48.319,24.867 51.003,24.867 R16.2
RES-GND2: R17.2 U1.2 | length 5.2
  Top Layer w0.254: U1.2 47.669,23.197 48.133,22.733 R17.2
RES-GND3: R18.2 U1.3 | length 3.9
  Top Layer w0.254: U1.3 47.019,26.496 R18.2
RES-GND4: R19.2 U1.4 | length 3.2
  Top Layer w0.254: R19.2 46.369,28.103 U1.4
RES-GND5: R20.2 U1.5 | length 3.9
  Top Layer w0.254: R20.2 45.719,26.467 U1.5
RES-GND6: R21.2 U2.1 | length 3.6
  Top Layer w0.254: U2.1 R21.2
RES-GND7: R22.2 U2.2 | length 6
  Top Layer w0.254: U2.2 78.867,24.88 78.867,23.495 79.654,22.708 R22.2
RES-GND8: R23.2 U2.3 | length 3.5
  Top Layer w0.254: R23.2 78.207,28.169 78.207,26.518 78.205,26.516 U2.3
RES-GND9: R24.2 U2.4 | length 4.1
  Top Layer w0.254: R24.2 75.939,28.151 75.939,27.428 77.505,25.862 77.505,24.943 U2.4
RES-GND10: R25.2 U3.1 | length 3.2
  Top Layer w0.254: U3.1 110.168,24.867 R25.2
RES-GND11: R26.2 U3.2 | length 5.8
  Top Layer w0.254: U3.2 109.492,23.223 110.084,22.631 R26.2
RES-GND12: R27.2 U3.3 | length 7.8
  Top Layer w0.254: U3.3 108.842,25.884 109.197,26.238 112.954,26.238 113.817,27.102 R27.2
RES-GND13: R28.2 U4.1 | length 3.2
  Top Layer w0.254: U4.1 R28.2
RES-GND14: R29.2 U4.2 | length 5.7
  Top Layer w0.254: U4.2 140.323,23.278 140.919,22.682 R29.2
RES-GND15: R30.2 U4.4 | length 3.2
  Top Layer w0.254: R30.2 139.023,28.104 U4.4
RES-GND16: R31.2 U5.1 | length 3.3
  Top Layer w0.254: U5.1 165.803,24.867 R31.2
RES-VCC1: R32.2 U1.24 | length 6.7
  Top Layer w0.254: U1.24 45.719,20.269 46.05,20.599 R32.2
RES-VCC2: R33.2 U2.5 | length 5.2
  Top Layer w0.254: R33.2 74.727,27.203 75.553,27.203 76.905,25.851 U2.5
RES-VCC3: R34.2 U2.24 | length 7.4
  Top Layer w0.254: U2.24 76.911,19.056 76.911,20.142 77.292,20.523 R34.2
RES-VCC4: R35.2 U3.4 | length 5.9
  Top Layer w0.254: U3.4 108.243,24.943 108.243,25.895 109.018,26.67 110.693,26.67 111.579,27.555 111.579,28.343 R35.2
RES-VCC5: 36.2 U3.5 | length 4.3
  Top Layer w0.254: U3.5 107.558,24.908 107.558,25.821 109.499,27.762 36.2
RES-VCC6: R37.2 U3.24 | length 7
  Top Layer w0.254: U3.24 107.542,20.065 107.899,20.422 R37.2
RES-VCC7: 38.2 U4.3 | length 3.9
  Top Layer w0.254: U4.3 139.673,26.542 38.2
RES-VCC8: R39.2 U4.5 | length 3.9
  Top Layer w0.254: R39.2 138.373,26.549 U4.5
RES-VCC9: R40.2 U4.24 | length 7
  Top Layer w0.254: U4.24 138.373,20.111 138.76,20.498 R40.2
RES-VCC10: R41.2 U5.2 | length 5.8
  Top Layer w0.254: U5.2 165.1,24.864 165.1,23.266 165.71,22.657 R41.2
RES-VCC11: R45.2 U5.3 | length 3.9
  Top Layer w0.254: U5.3 164.478,26.606 R45.2
RES-VCC12: R46.2 U5.4 | length 3.2
  Top Layer w0.254: U5.4 163.828,28.115 R46.2
RES-VCC13: R47.2 U5.5 | length 3.8
  Top Layer w0.254: R47.2 163.178,26.611 U5.5
RES-VCC14: R48.2 U5.24 | length 7
  Top Layer w0.254: U5.24 163.178,20.049 163.576,20.447 R48.2
SCL: "Data In.1" U1.26 U2.26 U3.26 U4.26 U5.26 | length 153.6
  Top Layer w0.254: U1.26 47.023,19.047 47.023,15.588 v1(47.041,15.57) ; U2.26 78.205,15.597 v1(78.232,15.57) ; U3.26 108.842,15.643 v1(108.915,15.57) ; U4.26 139.673,15.495 v1(139.696,15.472) ; v1(164.465,15.57) 164.471,15.587 164.471,16.577 164.478,16.823 164.501,16.959 164.501,17.585 164.471,17.758 164.471,18.44 U5.26
  Bottom Layer w0.254: v1(47.041,15.57) 50.241,12.37 78.232,12.37 108.915,12.37 ; 78.232,12.395 v1(78.232,15.57) ; v1(108.915,15.57) 108.915,12.37 ; v1(139.696,15.472) 139.696,12.37 ; 164.465,7.798 164.465,12.37 ; v1(164.465,15.57) 164.465,15.472 164.465,12.37 ; 108.915,12.37 139.696,12.37 ; 139.696,12.37 164.465,12.37
SDA: "Data In.2" U1.27 U2.27 U3.27 U4.27 U5.27 | length 141.9
  Top Layer w0.254: U1.27 47.72,18.999 47.72,16.567 v1(47.777,16.51) ; U2.27 78.906,18.999 78.906,16.564 v1(78.96,16.51) ; U3.27 109.543,18.999 109.543,16.564 v1(109.597,16.51) ; U4.27 140.374,18.999 140.374,16.564 v1(140.428,16.51) ; U5.27 165.178,18.999 165.178,16.564 v1(165.232,16.51)
  Bottom Layer w0.254: v1(47.777,16.51) 67.31,16.51 67.92,17.12 76.276,17.12 76.886,16.51 v1(78.96,16.51) 79.062,16.408 109.496,16.408 v1(109.597,16.51) 109.721,16.386 110.066,16.386 110.069,16.383 140.126,16.383 v1@140.253,16.51 ; v1(140.428,16.51) 140.495,16.51 141.765,17.78 161.569,17.78 163.06,16.517 v1(165.232,16.51) 166.147,16.51 167.056,15.601 167.056,7.747
VBAT: "Power Out.1" BAT1.1 BAT2.1 C15.2 pad.1@7.997,29.769 pad.1@10.003,29.769 R13.1 U7.5 | length 131.9
  Top Layer w0.508: 3.683,7.874 3.48,8.077 3.48,28.143 5.08,29.743 7.971,29.743 pad.1@7.997,29.769 ; pad.1@10.003,29.769 pad.1@7.997,29.769 ; U7.5 13.241,19.114 C15.2 9.8,19.152 8.047,20.904 R13.1 8.047,29.718 pad.1@7.997,29.769
  Bottom Layer w0.508: pad.1@10.003,29.769 13.919,29.769 20.853,22.835 BAT1.1
  Bottom Layer w1.778: BAT1.1 94.426,22.835 BAT2.1
pads on no net: BAT1.0 BAT2.0 Q1.1 Q1.8 U5.15 U5.16 U5.17 U5.18 U5.19 U5.20 U5.21 U5.22 U7.9 U8.4 USB.2 USB.3 USB.4

## Polygon pours and split planes (outlines as drawn)
GND on Top Layer "GND_L01_P000" (solid, remove dead copper, pour order 0): 177.952,34.519 0.127,34.519 0.127,-0.838 1.092,0.127 177.814,0.127
GND on Bottom Layer "GND_L02_P001" (solid, remove dead copper, pour order 1): 0.127,34.519 151.638,34.519 177.952,34.519 177.952,0.127 0.196,0.127

## Keep-outs
Keep-Out Layer:
  the board outline again, w0.254

## Silkscreen, mask and mechanical layers (free items; w line width, h text height)
Top Overlay:
  circle w0.254: c105.893,30.963 r2.499
  circle w0.254: c17.475,30.886 r2.456
  circle w0.254: c161.052,14.86 r2.499
  circle w0.254: c72.634,14.835 r2.456
  circle w0.254: c80.964,30.835 r2.025
  circle w0.254: c97.522,14.86 r1.955
  lines w0.254: 90.9,15.874 93.948,15.874 ; 92.45,14.325 92.45,17.373 ; 10.058,1.473 10.058,7.315 12.84,7.315 12.84,6.718 12.852,6.706 14.859,6.706 14.859,7.341 17.602,7.341 17.602,1.473 10.058,1.473
Bottom Overlay:
  lines w0.254: 0.965,0.432 0.965,6.909 1.905,7.849 1.93,7.849 2.692,7.849 2.692,6.909 2.718,6.883 4.623,6.883 4.674,6.934 4.674,7.874 5.258,7.874 5.232,7.849 5.232,6.909 5.283,6.858 7.264,6.858 7.264,7.874 7.29,7.899 8.763,7.899 8.738,7.874 8.738,0.279 5.994,0.279 5.969,0.305 5.969,2.794 5.944,2.769 3.962,2.769 3.962,0.406 3.937,0.381 1.016,0.381 ; 3.124,9.627 5.029,9.627 5.029,10.516 ; 3.15,17.983 5.029,17.983 5.029,16.993 ; 3.835,12.294 3.835,15.494 ; 173.507,15.392 176.2,15.392 ; 173.533,12.852 176.251,12.852 ; 176.073,13.868 176.098,13.843 ; 176.2,10.211 173.482,10.211 173.482,18.059 176.225,18.059 176.225,10.185 ; 172.644,2.743 174.142,2.743 ; 172.644,2.743 172.644,0.279 166.522,0.279 166.548,0.305 166.548,2.667 166.522,2.692 165.024,2.692 165.024,0.229 164.973,0.178 161.849,0.178 161.773,0.254 161.773,6.731 162.738,7.696 162.763,7.696 162.839,7.772 163.551,7.772 163.5,7.722 163.5,6.782 165.456,6.782 165.456,7.722 165.481,7.747 166.04,7.747 166.065,7.722 166.065,6.756 166.091,6.782 167.97,6.782 167.97,7.696 167.996,7.671 168.58,7.671 168.554,7.645 168.554,6.756 168.58,6.782 170.561,6.782 170.586,6.807 170.586,7.722 170.612,7.747 171.171,7.747 171.12,7.696 171.12,6.731 171.145,6.756 173.126,6.756 173.152,6.782 173.152,7.722 173.177,7.696 173.66,7.696 173.685,7.671 173.685,6.731 173.711,6.756 175.717,6.756 175.743,6.782 175.743,7.696 175.819,7.772 177.19,7.772 177.241,7.722 177.241,0.254 174.193,0.254 ; 172.644,2.743 174.142,2.743 ; 174.142,0.305 174.193,0.254 ; 174.142,0.305 174.142,2.743 ; 174.142,0.305 174.193,0.254 ; 174.142,0.305 174.142,2.743
Mechanical 1:
  lines w0.254: 0.102,-1.651 0.102,-1.143 ; 1.626,-1.905 0.102,-1.397 ; 1.626,-0.889 0.102,-1.397 ; 80.356,-1.397 0.102,-1.397 ; 97.673,-1.397 177.927,-1.397 ; 176.403,-1.905 177.927,-1.397 ; 176.403,-0.889 177.927,-1.397 ; 177.927,-1.651 177.927,-1.143 ; 182.418,16.025 182.926,14.501 ; 182.423,0.711 182.931,2.235 ; 182.672,14.501 183.18,14.501 ; 182.677,2.235 183.185,2.235 ; 182.925,17.041 182.926,14.501 ; 182.932,-0.305 182.931,2.235 ; 183.434,16.025 182.926,14.501 ; 183.439,0.711 182.931,2.235
  text "12.266 (mm)" at 179.269,16.01 h1.52 r270.02
  text "177.825 (mm)" at 80.61,-2.311 h1.52